# Altium PCB GameBoard_V1I1.PcbDoc (part 16 of 22)
Units mil, origin at the board's own origin, x right, y up, seen from the top; angles counter-clockwise.
Board outline 7165.35 x 2814.96 mil, 12 copper layers (L1, L2, L3, L4, L5 (PWR), L6 (PWR), L7 (PWR), L8 (PWR), L9, L10, L11, L12), stack 61.575 mil thick; 1551 components, 1072 nets, 5467 pads, 3785 vias.
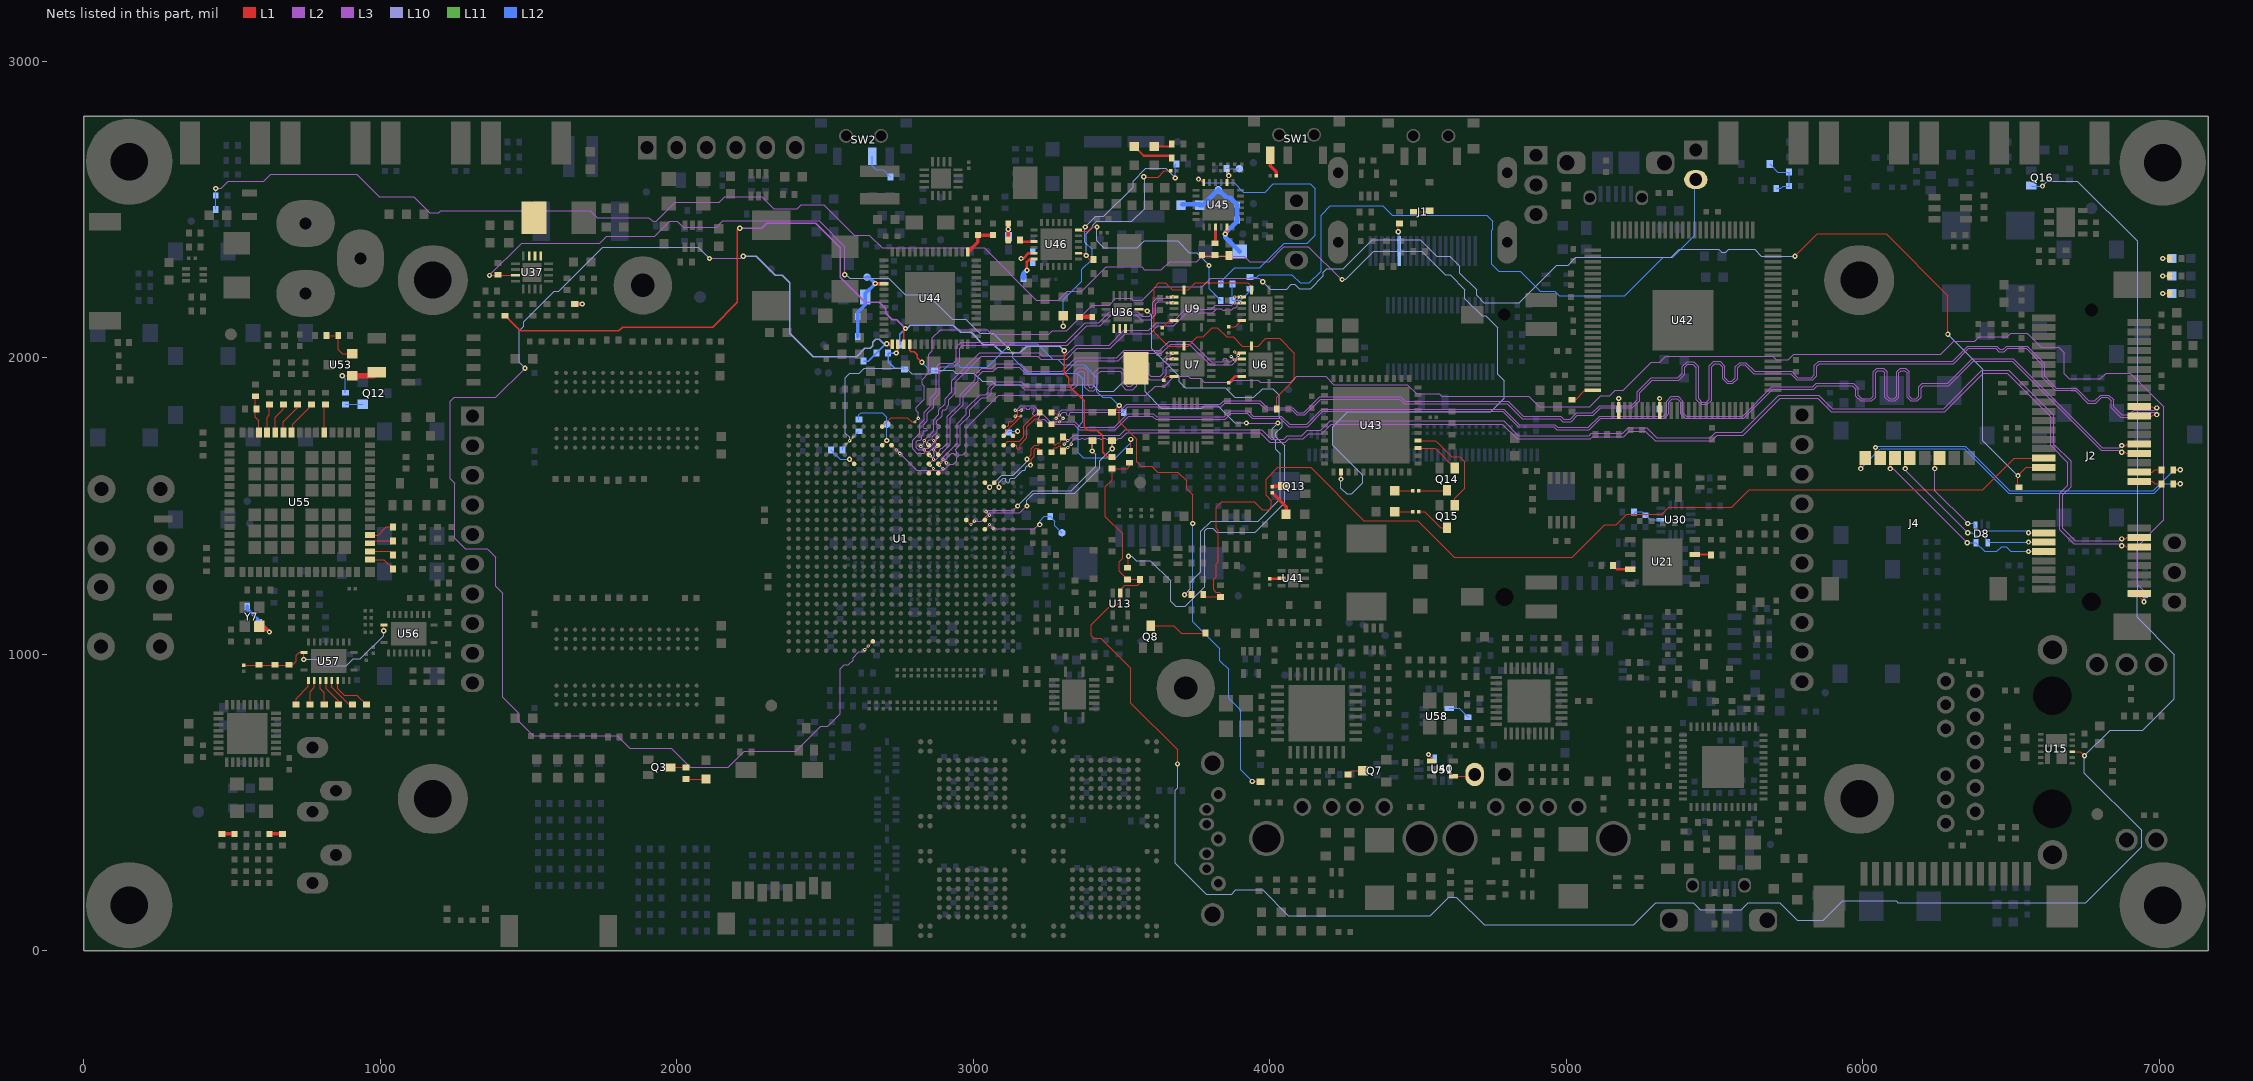
[diagram p26: the nets of this part, all layers, seen from the top]

## Via types
v1: diameter 17.72, hole 7.87, L1 to L12, 1935 vias
v2: diameter 17.72, hole 7.87, L1 to L12, tented both sides, 995 vias
v3: diameter 10.63, hole 3.94, L1 to L2, 334 vias
v4: diameter 11.81, hole 3.94, L2 to L3, 334 vias
v5: diameter 10.63, hole 3.94, L11 to L12, 94 vias
v6: diameter 11.81, hole 3.94, L10 to L11, 93 vias

## Nets (pads, with @x,y where several pads share a name; then routed paths per layer and width w, separated by ;. In a path a pad name is that pad's centre, name@x,y a point inside that pad or via, vN(x,y) a via of type N, cw(c..) or ccw(c..) an arc to the next point about the centre after c; other vN are vias at no path point) (continued)
MOV_RU: C405.1 R398.1 U43.2 | length 6228.9
  L1 w3.15: v1(4240.16,1590.55) U43.2@4240.16,1614.17
  L3 w3.15: v1(444.88,2570.87) 463.37,2570.87 486.99,2594.49 606.3,2594.49 629.92,2618.11 921.26,2618.11 996.06,2543.31 1112.98,2543.31 1167.11,2489.17 1197.83,2489.17 1204.72,2496.06 1708.66,2496.06 1732.28,2472.44 1906.29,2472.44 1919.08,2459.65 1931.31,2459.65 1995.29,2523.62 2142.93,2523.62 2162.61,2543.31 2287.4,2543.31 2327.76,2502.95 2407.01,2502.95 2419.81,2515.75 2496.06,2515.75 2598.43,2413.39 2649.61,2413.39 2692.91,2370.08 3036.48,2370.08 3212.66,2193.9 3287.09,2193.9 3316.62,2223.43 3365.16,2223.43 3447.83,2306.1 3567.76,2306.1 3577.6,2296.26 3634.84,2296.26 3662.4,2323.82 3754.15,2323.82 3771.86,2341.54 3914.89,2341.54 3932.61,2323.82 3997.57,2323.82 4047.76,2374.02 4130.6,2374.02 4240.83,2263.78 v1(4244.09,2263.78)
  L10 w3.15: v1(4240.16,1590.55) 4240.16,1559.83 4259.63,1540.35 4275.9,1540.35 4313.98,1578.43 4313.98,1602.67 4212.6,1704.05 4212.6,1767.72 4262.8,1817.91 4744.86,1817.91 4790.35,1863.4 4790.35,1922.24 4768.7,1943.9 4768.7,2100.55 4728.5,2140.75 4717,2140.75 4658.46,2199.28 4658.46,2229.27 4608.21,2279.53 4591.48,2279.53 4512.74,2358.27 4350.39,2358.27 4255.91,2263.78 v1(4244.09,2263.78)
  L12 w3.15: R398.1@444.88,2500 C405.1@444.88,2547.24 v1(444.88,2570.87)
MPCIE_SIM_C4: J4.C4 R153.1 | length 1186.1
  L1 w3.15: v1(6043.31,1696.85) 6043.31,1677.17 J4.C4@6059.06,1661.42 ; R153.1@7047.24,1622.05 v1(7070.87,1622.05)
  L12 w3.15: v1(6043.31,1696.85) 6047.24,1700.79 6346.46,1700.79 6496.06,1551.18 6980.31,1551.18 7051.18,1622.05 v1(7070.87,1622.05)
MPCIE_SIM_C4_R: J2.19 R153.2 | length 78.1
  L1 w3.15: J2.19@6933.07,1614.17 6976.38,1614.17 6984.25,1622.05 R153.2@7007.87,1622.05
MPCIE_SIM_C8: J4.C8 R152.1 | length 1245.9
  L1 w3.15: v1(5993.31,1625.98) 5993.31,1645.67 J4.C8@6009.06,1661.42 ; R152.1@7047.24,1574.8 v1(7070.87,1574.8)
  L12 w3.15: v1@5993.32,1625.98 6058.07,1690.73 6060.24,1692.91 6343.2,1692.91 6492.8,1543.31 6983.58,1543.31 7015.07,1574.8 v1(7070.87,1574.8)
MPCIE_SIM_C8_R: J2.17 R152.2 | length 78.1
  L1 w3.15: J2.17@6933.07,1582.68 6976.38,1582.68 6984.25,1574.8 R152.2@7007.87,1574.8
MPCIE_SIM_CLK: D8.4 J2.12 J4.C3 | length 614.9
  L1 w3.15: v1(6143.31,1625.98) 6143.31,1645.67 J4.C3@6159.06,1661.42 ; v1(6559.06,1377.95) J2.12@6610.24,1377.95
  L3 w3.15: v1(6143.31,1625.98) 6143.31,1620.47 v1(6354.33,1409.45)
  L12 w3.15: v1(6354.33,1409.45) 6370.08,1409.45 6377.95,1401.57 6405.51,1401.57 6429.13,1377.95 v1(6559.06,1377.95)
MPCIE_SIM_DATA: D8.5 J2.10 J4.C7 | length 687.7
  L1 w3.15: v1(6093.31,1625.98) 6093.31,1645.67 J4.C7@6109.06,1661.42 ; v1(6559.06,1346.46) J2.10@6610.24,1346.46
  L3 w3.15: v1(6093.31,1625.98) 6102.36,1625.98 v1(6352.36,1375.99)
  L12 w3.15: v1(6352.36,1375.99) D8.5@6381.89,1375.99 6411.42,1346.46 6452.76,1346.46 6468.5,1362.2 6484.25,1362.2 6500,1346.46 v1(6559.06,1346.46)
MPCIE_SIM_RST: D8.1 J2.14 J4.C2 | length 544.8
  L1 w3.15: v1(6243.31,1625.98) 6243.31,1645.67 J4.C2@6259.06,1661.42 ; v1(6559.06,1409.45) J2.14@6610.24,1409.45
  L3 w3.15: v1(6243.31,1625.98) 6243.31,1551.97 v1(6354.33,1440.94)
  L12 w3.15: v1(6354.33,1440.94) 6374.49,1440.94 D8.1@6380.39,1435.04 6380.39,1430.16 6394.21,1416.34 6552.16,1416.34 v1(6559.06,1409.45)
MX6_HDMI_CLK_N: U1.J5 U7.3 | length 1449.2
  L1 w3.35: U1.J5@2881.89,1641.73 v3(2897.64,1657.48) ; v3(3653.54,1996.06) U7.3@3677.17,1996.06
  L3 w3.35: v4(2909.45,1645.67) 2909.45,1646.63 2905.71,1650.37 2905.71,1656.13 2926.75,1677.17 2932.09,1677.17 2936.02,1673.23 2941.93,1673.23 2944.88,1676.18 2944.88,1681.1 2940.24,1685.74 2940.24,1690.66 2956.69,1707.11 2956.69,1773 2988.09,1804.4 2988.09,1824.44 3027.92,1864.27 3045.99,1864.27 3060.93,1879.21 3060.93,1893.34 3075.75,1908.17 3156.53,1908.17 3173.17,1891.54 3334.03,1891.54 3351.97,1909.47 3351.97,1948.17 3358.92,1955.12 3369.43,1955.12 3376.38,1948.17 3376.38,1900.92 3389.11,1888.19 3406.16,1888.19 3418.9,1900.92 3418.9,1944.23 3429.79,1955.12 3495.41,1955.12 3502.66,1947.87 3502.66,1904.56 3515.1,1892.13 3537.64,1892.13 3551.38,1905.87 3551.38,1972.8 3559.56,1980.98 3576.11,1980.98 3582.68,1974.41 3582.68,1938.15 3594.92,1925.91 3635.18,1925.91 3651.48,1942.2 3651.48,1966.54 3654.43,1969.49 3658.46,1969.49 3661.42,1972.44 3661.42,1976.38 3658.46,1979.33 3654.43,1979.33 3651.48,1982.28 3651.48,1990.22 3657.32,1996.06 v4(3673.23,1996.06)
  L2 w3.15: v3(2897.64,1657.48) v4(2909.45,1645.67) ; v3(3653.54,1996.06) v4(3673.23,1996.06)
MX6_HDMI_CLK_P: U1.J6 U7.2 | length 1449.8
  L1 w3.35: U1.J6@2881.89,1610.24 v3(2897.64,1625.98) ; v3(3653.54,2015.75) U7.2@3677.17,2015.75
  L3 w3.35: v4(2885.83,1637.8) 2885.83,1638.38 2894.68,1647.23 2894.68,1660.69 2945.67,1711.68 2945.67,1777.57 2977.07,1808.97 2977.07,1829.01 3023.35,1875.29 3041.43,1875.29 3049.9,1883.77 3049.9,1897.91 3071.19,1919.19 3161.1,1919.19 3177.73,1902.56 3329.47,1902.56 3340.94,1914.04 3340.94,1952.73 3354.35,1966.14 3373.99,1966.14 3387.4,1952.73 3387.4,1905.49 3393.68,1899.21 3401.6,1899.21 3407.87,1905.49 3407.87,1948.8 3425.22,1966.14 3499.98,1966.14 3513.68,1952.44 3513.68,1909.13 3519.66,1903.15 3533.07,1903.15 3540.35,1910.43 3540.35,1977.36 3554.99,1992 3580.68,1992 3593.7,1978.98 3593.7,1942.72 3599.49,1936.93 3630.62,1936.93 3640.45,1946.76 3640.45,1994.78 3652.76,2007.09 3664.57,2007.09 v4(3673.23,2015.75)
  L2 w3.15: v4(2885.83,1637.8) v3(2897.64,1625.98) ; v3(3653.54,2015.75) v4(3673.23,2015.75)
MX6_HDMI_D0_N: U1.K5 U6.3 | length 1446.2
  L1 w3.35: U1.K5@2850.39,1641.73 v3(2866.14,1657.48) ; v3(3881.89,1992.13) 3885.83,1996.06 U6.3@3905.51,1996.06
  L3 w3.35: v4(2854.33,1669.29) 2860.04,1663.58 2864.91,1663.58 2869.09,1667.77 2869.09,1672.24 2866.14,1675.2 2866.14,1679.13 2869.09,1682.09 2873.03,1682.09 2875.98,1679.13 2880.46,1679.13 2887.8,1686.47 2887.8,1689.96 2892.72,1694.88 2896.21,1694.88 2912.11,1710.78 2912.11,1801.87 2955.51,1845.28 2955.51,1875.06 3006.59,1926.14 3006.59,1943.24 3027.93,1964.57 3063.15,1964.57 3077.7,1979.11 3159.62,1979.11 3184.01,1954.72 3300.36,1954.72 3345.63,2000 3484.67,2000 3509.86,2025.2 3629.69,2025.2 3660.79,2056.3 3733.33,2056.3 3803.21,1986.42 3840.55,1986.42 3843.5,1989.37 3843.5,1995.08 3846.46,1998.03 3851.38,1998.03 3854.33,1995.08 3854.33,1990.16 3858.07,1986.42 3868.85,1986.42 3877.07,1994.64 3877.07,1998.25 3871.37,2003.94 v4(3870.08,2003.94)
  L2 w3.15: v4(2854.33,1669.29) v3(2866.14,1657.48) ; v4(3870.08,2003.94) v3(3881.89,1992.13)
MX6_HDMI_D0_P: U1.K6 U6.2 | length 1442
  L1 w3.35: U1.K6@2850.39,1610.24 v3(2866.14,1625.98) ; v3@3882.57,2015.75 U6.2@3905.51,2015.75
  L3 w3.35: v4(2854.33,1637.8) 2854.33,1645.67 2861.22,1652.56 2869.47,1652.56 2923.13,1706.22 2923.13,1797.3 2966.53,1840.71 2966.53,1870.5 3017.62,1921.58 3017.62,1938.67 3032.49,1953.54 3067.72,1953.54 3082.26,1968.09 3155.05,1968.09 3179.44,1943.7 3304.92,1943.7 3350.2,1988.98 3489.23,1988.98 3514.43,2014.17 3634.25,2014.17 3665.35,2045.28 3728.76,2045.28 3798.64,1975.39 3873.41,1975.39 3888.09,1990.07 3888.09,2001.68 3893.7,2007.29 v4(3893.7,2007.87)
  L2 w3.15: v4(2854.33,1637.8) v3(2866.14,1625.98) ; v3(3881.89,2019.68) v4(3893.7,2007.87)
MX6_HDMI_D1_N: U1.J3 U9.3 | length 1447.4
  L1 w3.35: v3(2866.14,1720.47) U1.J3@2881.89,1704.73 ; v3(3653.54,2185.04) U9.3@3677.17,2185.04
  L3 w3.35: v4(2877.95,1732.28) 2877.47,1731.8 2877.47,1723.39 2849.16,1695.08 2835.68,1695.08 2829.88,1689.27 2814.51,1689.27 2807.09,1696.69 2807.09,1716.69 2812.01,1721.61 2820.71,1721.61 2825.63,1726.54 2825.63,1735.24 2830.71,1740.32 2830.71,1750 2833.66,1752.95 2841.54,1752.95 2844.49,1755.91 2844.49,1759.84 2841.54,1762.8 2833.66,1762.8 2830.71,1765.75 2830.71,1771.65 2845.67,1786.61 2845.67,1811.95 2866.14,1832.42 2866.14,1858.43 2885.83,1878.11 2885.83,1963.74 2892.36,1970.28 2936.65,1970.28 2953.94,1987.56 2953.94,2031.85 2963.52,2041.44 3317.03,2041.44 3382.68,2107.09 3428.21,2107.09 3465.51,2144.39 3550.23,2144.39 3566.28,2128.35 3598.4,2128.35 3615.89,2145.83 3615.89,2181.99 3623.27,2189.37 3667.04,2189.37 3671.37,2185.04 v4(3673.23,2185.04)
  L2 w3.15: v3(2866.14,1720.47) v4(2877.95,1732.28) ; v3(3653.54,2185.04) v4(3673.23,2185.04)
MX6_HDMI_D1_P: U1.J4 U9.2 | length 1444.8
  L1 w3.35: v3(2866.14,1688.98) U1.J4@2881.89,1673.23 ; v3(3653.54,2204.72) U9.2@3677.17,2204.72
  L3 w3.35: v4(2877.95,1700.79) 2877.32,1700.16 2869.83,1700.16 2853.73,1684.06 2840.25,1684.06 2834.44,1678.25 2809.94,1678.25 2796.06,1692.13 2796.06,1721.26 2819.69,1744.88 2819.69,1776.22 2834.65,1791.18 2834.65,1816.51 2855.12,1836.99 2855.12,1862.99 2874.8,1882.68 2874.8,1968.31 2887.8,1981.3 2932.09,1981.3 2942.91,1992.13 2942.91,2036.42 2958.96,2052.46 3312.46,2052.46 3378.11,2118.11 3423.64,2118.11 3460.95,2155.41 3554.8,2155.41 3570.84,2139.37 3593.84,2139.37 3604.87,2150.4 3604.87,2186.56 3618.7,2200.39 3667.04,2200.39 3671.37,2204.72 v4(3673.23,2204.72)
  L2 w3.15: v3(2866.14,1688.98) v4(2877.95,1700.79) ; v3(3653.54,2204.72) v4(3673.23,2204.72)
MX6_HDMI_D2_N: U1.K3 U8.3 | length 1445.6
  L1 w3.35: v3(2834.65,1720.47) U1.K3@2850.39,1704.73 ; v3(3881.89,2185.04) U8.3@3905.51,2185.04
  L3 w3.35: v4(2846.46,1708.66) 2846.25,1708.87 2846.25,1717.63 2851.06,1722.44 2857.28,1722.44 2862.2,1727.36 2862.2,1733.58 2877.95,1749.33 2877.95,1757.87 2881.89,1761.81 2885.83,1761.81 2889.38,1765.36 2889.38,1771.27 2886.04,1774.61 2880.91,1774.61 2877.66,1777.85 2877.66,1786.5 2895.28,1804.11 2895.28,1819.65 2899.45,1823.82 2906.5,1823.82 2912.24,1829.57 2912.24,1836.61 2916.54,1840.91 2916.54,1857.64 2938.88,1879.98 2938.88,1917.64 3026.16,2004.92 3217.94,2004.92 3227.97,1994.88 3314.76,1994.88 3351.38,2031.5 3462.86,2031.5 3512.76,2081.4 3597.15,2081.4 3622.76,2107.01 3675.49,2107.01 3720.16,2151.67 3807.44,2151.67 3821.13,2165.35 3836.61,2165.35 3841.54,2160.43 3848.43,2160.43 3853.35,2165.35 3862.2,2165.35 3866.14,2161.42 3872.13,2161.42 3879.02,2168.31 3885.83,2168.31 3890.75,2173.23 3890.75,2180.04 3895.75,2185.04 v4(3901.58,2185.04)
  L2 w3.15: v3(2834.65,1720.47) v4(2846.46,1708.66) ; v3(3881.89,2185.04) v4(3901.58,2185.04)
MX6_HDMI_D2_P: U1.K4 U8.2 | length 1446.3
  L1 w3.35: v3(2834.65,1688.98) U1.K4@2850.39,1673.23 ; v3(3881.89,2204.72) U8.2@3905.51,2204.72
  L3 w3.35: v4(2822.84,1700.79) 2833.64,1711.59 2833.64,1720.61 2866.64,1753.61 2866.64,1791.06 2884.25,1808.67 2884.25,1824.21 2905.51,1845.47 2905.51,1862.2 2927.86,1884.55 2927.86,1922.21 3021.59,2015.94 3222.5,2015.94 3232.54,2005.91 3310.2,2005.91 3346.81,2042.52 3458.29,2042.52 3508.19,2092.42 3592.58,2092.42 3618.19,2118.03 3670.92,2118.03 3715.59,2162.7 3802.88,2162.7 3816.56,2176.38 3871.5,2176.38 3899.84,2204.72 v4(3901.58,2204.72)
  L2 w3.15: v4(2822.84,1700.79) v3(2834.65,1688.98) ; v3(3881.89,2204.72) v4(3901.58,2204.72)
NetC275_2: C275.2 R204.2 | length 43.3
  L1 w11.81: R204.2@465.47,393.86 C275.2@508.78,393.86
NetC276_2: C276.2 R205.2 | length 43.3
  L1 w11.81: C276.2@626.89,393.86 R205.2@670.2,393.86
NetC322_2: C322.2 R267.1 U30.3 | length 106.2
  L12 w3.15: R267.1@5228.35,1472.44 5236.22,1480.31 5255.91,1480.31 C322.2@5267.72,1468.5 5283.46,1452.76 U30.3@5319.88,1452.76
NetC342_1: C342.1 R304.2 | length 43.3
  L1 w15.75: R304.2@3358.27,2137.8 C342.1@3401.57,2137.8
NetC349_1: C349.1 R316.2 | length 51.2
  L1 w11.81: R316.2@1657.48,2181.1 v1(1681.1,2181.1)
  L12 w11.81: C349.1@1653.54,2181.1 v1(1681.1,2181.1)
NetC365_1: C365.1 U41.2 | length 40.1
  L1 w7.87: C365.1@4000,1254.53 4038.19,1254.53 U41.2@4039.57,1255.91
NetC413_1: C413.1 D44.1 R427.1 R429.1 | length 171.4
  L12 w3.15: D44.1@5685.8,2653.54 5713.35,2625.98 R427.1@5751.97,2625.98 C413.1@5751.97,2578.74 5732.28,2578.74 5724.41,2570.87 R429.1@5708.66,2570.87
NetC480_1: C480.1 D47.1 R467.2 | length 91.4
  L1 w3.15: C480.1@3771.65,2346.46 3773.62,2344.49 D47.1@3862.2,2344.49
NetC492_1: C492.1 D53.1 R491.2 | length 80.7
  L1 w11.81: R491.2@3118.11,2397.64 v1(3118.11,2433.07) C492.1@3118.11,2452.76
  L12 w11.81: D53.1@3118.11,2407.48 v1(3118.11,2433.07)
NetD4_1: D4.1 R148.1 | length 64.3
  L1 w3.15: R148.1@4476.38,2492.13 4536.19,2492.13 D4.1@4539.37,2495.31
NetD5_1: D5.1 R154.2 | length 55.1
  L1 w3.15: v1(7011.81,2216.54) R154.2@7035.43,2216.54
  L12 w3.15: v1(7011.81,2216.54) D5.1@7043.31,2216.54
NetD6_1: D6.1 R155.2 | length 55.1
  L1 w3.15: v1(7011.81,2275.59) R155.2@7035.43,2275.59
  L12 w3.15: v1(7011.81,2275.59) D6.1@7043.31,2275.59
NetD7_1: D7.1 R156.2 | length 55.1
  L1 w3.15: v1(7011.81,2334.65) R156.2@7035.43,2334.65
  L12 w3.15: v1(7011.81,2334.65) D7.1@7043.31,2334.65
NetD14_1: D14.1 R209.1 | length 66.9
  L1 w3.15: R209.1@2031.5,578.74 D14.1@2098.43,578.74
NetD29_1: D29.1 R353.2 | length 91.8
  L1 w11.81: R353.2@4007.87,1544.68 4007.87,1544.42 4055.12,1497.18 D29.1@4055.12,1472.44
NetD31_1: D31.1 R374.2 | length 60.4
  L1 w3.15: D31.1@4421.26,1551.18 R374.2@4481.69,1551.18
NetD32_1: D32.1 R375.2 | length 60.4
  L1 w3.15: D32.1@4421.26,1480.31 R375.2@4481.69,1480.31
NetD49_2: D49.2 R488.1 | length 142.3
  L1 w7.87: D49.2@3543.31,2712.6 3574.8,2681.1 3661.42,2681.1 R488.1@3669.29,2673.23
NetD50_2: D50.2 R489.1 | length 62.3
  L1 w7.87: D50.2@3610.24,2712.6 3661.42,2712.6 R489.1@3669.29,2720.47
NetD51_2: D51.2 R490.1 | length 872.6
  L1 w3.15: v1@3303.15,2114.17 D51.2@3303.15,2141.73
  L10 w3.15: v1(3377.95,2440.94) 3413.39,2476.38 3440.94,2476.38 3539.37,2574.8 3539.37,2595.68 3582.47,2638.78 3648.62,2638.78 v1(3681.1,2606.3)
  L12 w3.15: v1(3303.15,2106.3) 3303.15,2195.66 3366.14,2258.65 3366.14,2298.02 3400.59,2332.47 3400.59,2365.93 3376.76,2389.76 3376.76,2439.75 v1(3377.95,2440.94) ; v1(3681.1,2606.3) 3681.1,2649.61 R490.1@3685.04,2653.54
NetJ1_14: J1.14 R142.1 | length 96.2
  L1 w3.15: v1(4433.07,2425.2) 4433.07,2448.82 R142.1@4437.01,2452.76
  L12 w3.15: v1(4433.07,2425.2) 4437.01,2421.26 J1.14@4437.01,2359.84
NetJP3_2: JP3.2 R486.1 | length 2234.2
  L12 w3.15: R486.1@3933.07,2271.65 3956.69,2271.65 3964.57,2279.53 4074.8,2279.53 4102.36,2251.97 4133.86,2251.97 4173.23,2291.34 4173.23,2480.31 4204.72,2511.81 4381.89,2511.81 4413.39,2480.31 4732.28,2480.31 4751.97,2460.63 4751.97,2433.07 4748.03,2429.13 4748.03,2314.96 4771.65,2291.34 4845.78,2291.34 4912.19,2224.93 4960.63,2224.93 4975.91,2209.65 5197.83,2209.65 5326.77,2338.58 5359.25,2338.58 5433.07,2412.4 5433.07,2596.85 JP3.2@5437.01,2600.79 JP3.2@5444.88,2608.66
NetQ3_3: Q3.3 R209.2 | length 53.1
  L1 w3.15: Q3.3@1978.35,618.11 R209.2@2031.5,618.11
NetQ7_3: Q7.3 R274.1 | length 56.1
  L1 w3.15: R274.1@4263.78,594.49 4275.59,606.3 Q7.3@4314.96,606.3
NetQ8_3: Q8.3 R270.2 | length 195.6
  L1 w3.15: Q8.3@3598.43,1096.46 3676.18,1096.46 3701.77,1070.87 R270.2@3783.46,1070.87
NetQ12_1: Q12.1 R323.2 | length 59.1
  L12 w3.15: R323.2@881.89,1842.52 Q12.1@940.94,1842.52
NetQ13_3: Q13.3 R353.1 | length 38
  L1 w3.15: R353.1@4007.87,1565.55 R353.1@4009.25,1566.93
  L1 w11.81: R353.1@4009.25,1566.93 Q13.3@4045.28,1566.93
NetQ14_1: Q14.1 U43.14 | length 151.7
  L1 w3.15: 4562.99,1688.98 Q14.1@4624.02,1627.95
  L1 w3.35: U43.14@4500,1694.88 4557.09,1694.88 4562.99,1688.98
NetQ14_3: Q14.3 R374.1 | length 96.7
  L1 w3.15: R374.1@4502.56,1551.18 4596.46,1551.18 Q14.3@4598.43,1553.15
NetQ15_1: Q15.1 U43.15 | length 348.3
  L1 w3.15: 4566.93,1712.6 4614.17,1665.35 4641.73,1665.35 4657.48,1649.61 4657.48,1559.06 4624.02,1525.59 Q15.1@4624.02,1501.97
  L1 w3.35: U43.15@4500,1720.47 4559.06,1720.47 4566.93,1712.6
NetQ15_3: Q15.3 R375.1 | length 117.9
  L1 w3.15: R375.1@4502.56,1480.31 4523.62,1480.31 4576.77,1427.17 Q15.3@4598.43,1427.17
NetR30_2: R30.2 U6.6 | length 54
  L1 w7.87: R30.2@3862.2,1915.94 3883.27,1937.01 U6.6@3905.51,1937.01 U6.6@3904.13,1935.63
NetR31_2: R31.2 U7.6 | length 40.9
  L1 w3.15: R31.2@3641.73,1923.82 3654.92,1937.01 U7.6@3677.17,1937.01
NetR33_2: R33.2 U8.6 | length 52
  L1 w3.15: R33.2@3862.2,2104.92 3884.45,2104.92 3904.13,2124.61 U8.6@3905.51,2125.98
NetR36_2: R36.2 U9.6 | length 49.7
  L1 w3.15: R36.2@3637.8,2100.98 3662.8,2125.98 U9.6@3677.17,2125.98
NetR212_2: R212.2 U21.7 | length 55.8
  L1 w3.15: R212.2@5486.61,1336.22 R212.2@5488.19,1334.65
  L1 w7.87: U21.7@5433.07,1336.22 R212.2@5486.61,1336.22
NetR213_1: R213.1 U21.3 | length 64.4
  L1 w7.87: R213.1@5157.48,1299.21 5170.47,1286.22 U21.3@5216.54,1286.22
NetR320_1: R320.1 R324.2 U53.2 | length 139.6
  L1 w3.15: R324.2@818.9,2074.8 R320.1@858.27,2074.8 858.27,2027.56 872.05,2013.78 U53.2@905.51,2013.78
NetR321_1: R321.1 R323.1 U53.1 | length 182.2
  L1 w3.15: v1(872.05,1938.98) U53.1@905.51,1938.98
  L1 w19.68: U53.1@905.51,1938.98 976.38,1938.98 R321.1@988.19,1950.79
  L12 w3.15: v1(872.05,1938.98) 881.89,1929.13 R323.1@881.89,1881.89
NetR467_1: R467.1 U45.21 | length 55.9
  L1 w3.15: R467.1@3814.96,2385.83 R467.1@3816.93,2387.8
  L1 w9.45: R467.1@3816.93,2387.8 U45.21@3816.93,2440.94
NetR482_1: R482.1 R486.2 R487.2 | length 149
  L12 w3.15: R482.1@3874.02,2248.03 R487.2@3874.02,2192.91 3901.57,2192.91 3933.07,2224.41 R486.2@3933.07,2232.28 3925.2,2240.16 3923.23,2242.13
NetR482_2: R482.2 U45.12 | length 1000.9
  L1 w3.15: v1(3759.84,2602.36) 3765.75,2602.36 U45.12@3777.56,2590.55
  L12 w3.15: v1(3759.84,2602.36) 3763.78,2602.36 3776.57,2589.57 3879.58,2589.57 3910.43,2558.72 3984.59,2558.72 4012.49,2586.61 4136,2586.61 4153.54,2569.07 4153.54,2413.39 4125.98,2385.83 4048.44,2385.83 3965.76,2303.15 3881.89,2303.15 3834.65,2255.91 R482.2@3834.65,2248.03
NetR487_1: R487.1 U46.12 | length 718.3
  L1 w3.15: U46.12@3354.33,2431.1 3361.22,2431.1 3366.14,2426.18 3386.81,2426.18 3401.57,2440.94 v1(3417.32,2440.94)
  L10 w3.15: v1(3417.32,2440.94) 3417.32,2393.7 3440.94,2370.08 3553.54,2370.08 3577.16,2393.7 3688.98,2393.7 3729.33,2353.35 3754.15,2353.35 3795.28,2312.22 v1(3795.28,2311.02)
  L12 w3.15: v1(3795.28,2311.02) 3795.28,2232.28 R487.1@3834.65,2192.91 3833.66,2192.91 3811.02,2215.55
NetR491_1: R491.1 U46.21 | length 49.7
  L1 w8.66: R491.1@3157.48,2397.64 3163.39,2391.73 U46.21@3204.72,2391.73
NetR493_1: R493.1 U46.24 | length 87.7
  L1 w8.66: v1(3181.1,2295.28) 3181.1,2322.83 3190.94,2332.68 U46.24@3204.72,2332.68
  L12 w15.75: R493.1@3169.29,2267.72 3169.29,2283.46 v1(3181.1,2295.28)
NetR512_2: R512.2 U55.50 | length 90.8
  L1 w3.15: U55.50@965.55,1318.9 1011.81,1318.9 R512.2@1043.31,1287.4
NetR513_1: R513.1 U55.6 | length 97.1
  L1 w3.15: U55.6@811.02,1747.05 811.02,1838.58 R513.1@814.96,1842.52
NetR514_2: R514.2 U55.51 | length 82.6
  L1 w3.15: U55.51@965.55,1346.46 1031.5,1346.46 R514.2@1043.31,1334.65
NetR515_2: R515.2 U55.52 | length 81
  L1 w3.15: U55.52@965.55,1374.02 973.43,1381.89 R515.2@1043.31,1381.89
NetR517_2: R517.2 U55.53 | length 89.2
  L1 w3.15: U55.53@965.55,1401.57 992.43,1401.57 1019.98,1429.13 R517.2@1043.31,1429.13
NetR518_1: R518.1 U55.10 | length 123.2
  L1 w3.15: U55.10@700.79,1747.05 704.72,1750.98 704.72,1775.59 767.72,1838.58 R518.1@767.72,1842.52
NetR519_1: R519.1 U55.11 | length 115
  L1 w3.15: U55.11@673.23,1747.05 673.23,1783.46 720.47,1830.71 R519.1@720.47,1842.52
NetR520_1: R520.1 U55.12 | length 106.9
  L1 w3.15: U55.12@645.67,1747.05 645.67,1799.21 673.23,1826.77 R520.1@673.23,1842.52
NetR521_1: R521.1 U55.13 | length 98.7
  L1 w3.15: U55.13@618.11,1747.05 618.11,1799.21 625.98,1807.09 R521.1@625.98,1842.52
NetR523_1: R523.1 R524.1 U55.14 | length 127.9
  L1 w3.15: R523.1@578.74,1870.08 578.74,1799.21 590.55,1787.4 U55.14@590.55,1747.05
NetR533_2: R533.2 U57.17 | length 146
  L1 w3.15: U57.17@856.3,911.42 856.3,883.86 877.95,862.2 921.26,862.2 R533.2@952.76,830.71
NetR535_2: R535.2 U57.16 | length 115.8
  L1 w3.15: U57.16@836.61,911.42 836.61,888.47 894.38,830.71 R535.2@905.51,830.71
NetR536_2: R536.2 U57.15 | length 97.8
  L1 w3.15: U57.15@816.93,911.42 816.93,883.86 858.27,842.52 R536.2@858.27,830.71
NetR537_2: R537.2 U57.14 | length 86.4
  L1 w3.15: U57.14@797.24,911.42 797.24,883.86 811.02,870.08 R537.2@811.02,830.71
NetR538_2: R538.2 U57.13 | length 86.4
  L1 w3.15: R538.2@763.78,830.71 763.78,874.02 777.56,887.8 U57.13@777.56,911.42
NetR540_2: R540.2 U57.12 | length 97.8
  L1 w3.15: R540.2@716.54,830.71 716.54,850.39 757.87,891.73 U57.12@757.87,911.42
NetR551_2: R551.2 R552.2 R557.1 R558.1 U56.10 U57.10 | length 611.8
  L1 w3.15: R551.2@539.37,963.19 590.55,963.19 691.54,963.19 R552.2@692.91,964.57 704.72,964.57 716.54,976.38 716.54,995.59 726.86,1005.91 U57.10@742.13,1005.91 v1(742.13,982.28) ; v1(1011.81,1078.74) U56.10@1011.81,1098.43
  L10 w3.15: v1(742.13,982.28) 785.43,982.28 807.09,960.63 885.83,960.63 909.45,984.25 933.07,984.25 1011.81,1062.99 v1(1011.81,1078.74)
NetR587_1: R587.1 SW1.3 | length 77.3
  L1 w11.81: SW1.3@4001.97,2683.07 4001.97,2647.64 4022.24,2627.36 R587.1@4022.24,2614.17
NetR675_1: R675.1 R676.2 Y7.1 | length 162.8
  L1 w11.81: Y7.1@591.06,1093.98 606.81,1093.98 v1(625.98,1074.8)
  L12 w11.81: R676.2@551.18,1161.42 551.18,1153.54 590.55,1114.17 R675.1@590.55,1106.3 594.49,1106.3 v1(625.98,1074.8)
NetR677_2: R677.2 SW2.2 | length 108
  L12 w3.15: SW2.2@2659.45,2679.13 2659.45,2647.64 2673.23,2633.86 2696.85,2633.86 R677.2@2720.47,2610.24
NetR679_2: R679.2 U58.4 | length 76.2